# Altium PCB touch.gfx.PcbDoc (part 1 of 3) (continued)
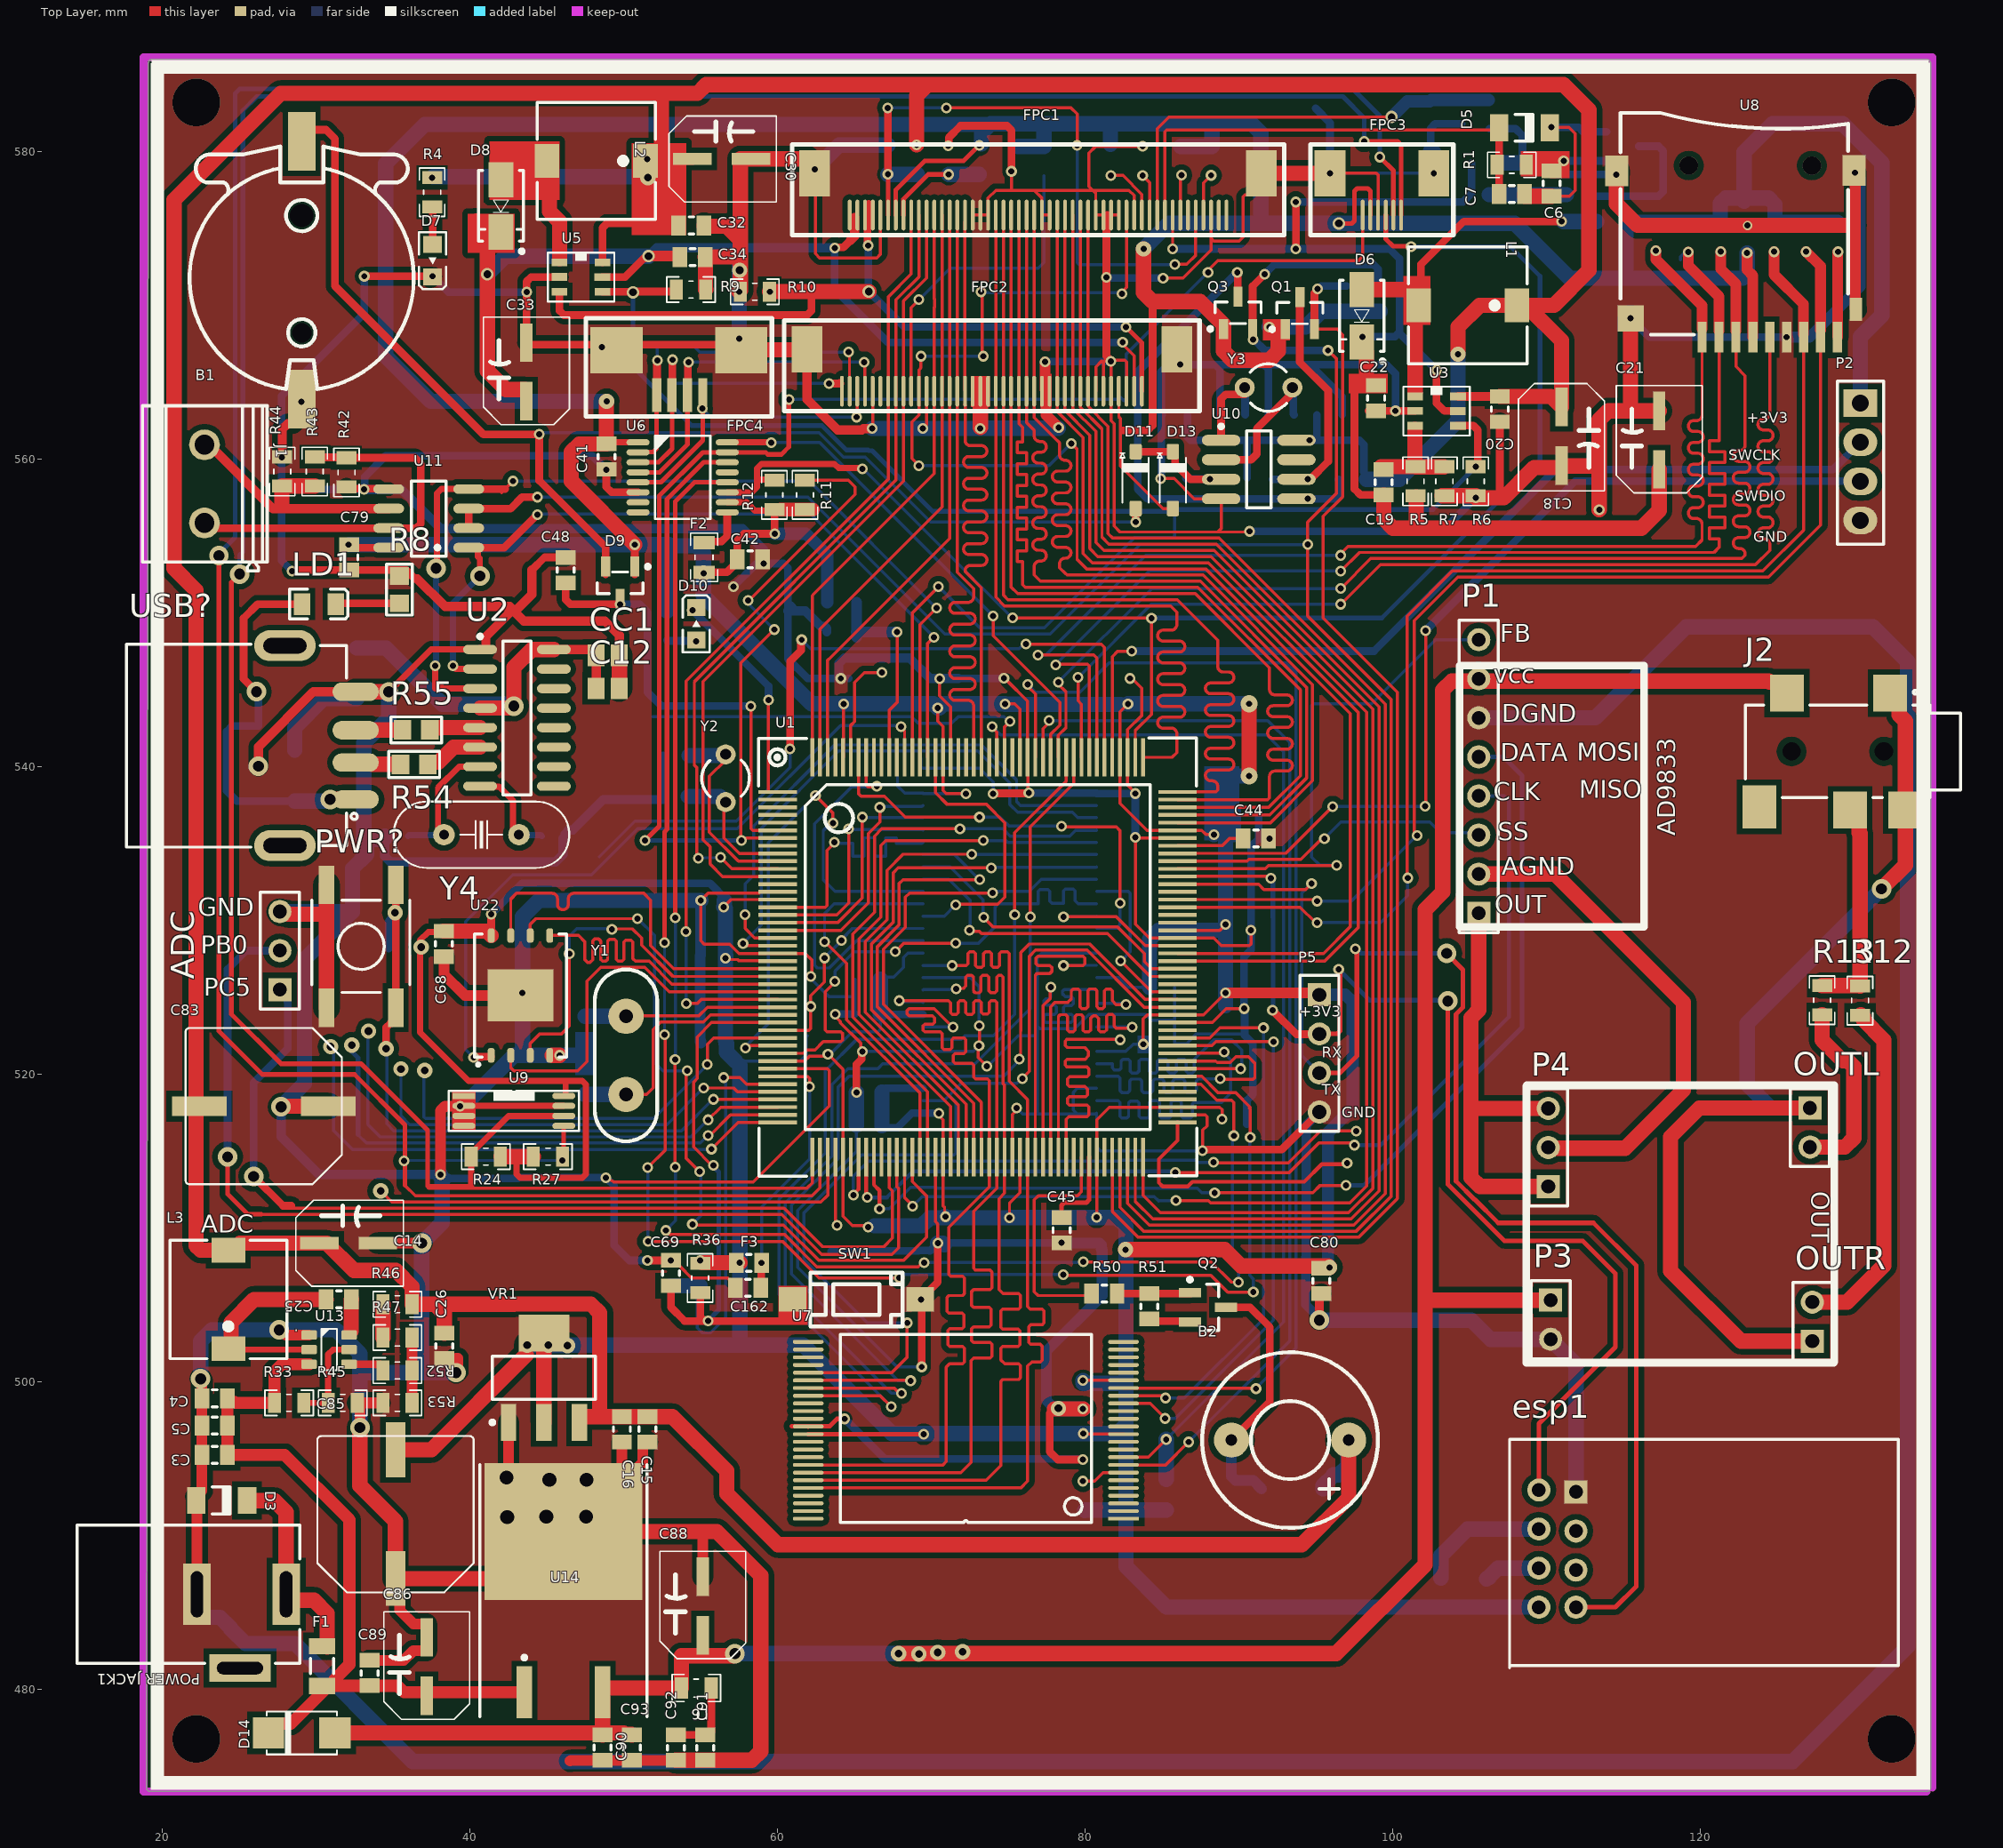
[diagram p0: Top Layer view]
## Footprints (in the part's own frame and the unit in brackets; to place one, negate y for a bottom-side part, rotate by r counter-clockwise, add the part's x,y. Pads: shape width x height; smd on the part's side, far side on the other; paste and mask are expansions set on the pad)
"0805 Resistor" [mil]
  rect 45x50 smd: 1(-35,0) 2(35,0)
  silkscreen extent -65,-33 65,33, body extent -39,-25 39,25, height 18
694106301002 [mm]
  rect 4x1.8 hole 0.8 slot 3 at 0 deg: 1(0,6.35) 2(0,0.55)
  rect 1.8x4 hole 0.8 slot 3 at 90 deg: 3(4.8,3.35)
  silkscreen extent -4.5,-7.25 4.5,7.25, body extent -4.5,-7.25 5,7.25, height 10.75
"Battery Holder CR1220" [mil]
  round 0 hole 50: 0(0,490)
  round 0 hole 60: 0(0,190)
  rect 70x150 smd: 1(0,0) 2(0,660)
  silkscreen extent -287,13 287,634, body extent -290,-40 290,700, height 168
"BUZZER 2" [mil]
  round 90 hole 30: 1(0,0) 2(0,-300)
  silkscreen extent -225,-375 225,75, body extent -236,-386 236,86, height 374
C0805 [mm] "Chip Capacitor, Body 2.0x1.3mm, IPC High Density"
  rect 1.1x1.4 smd: 1(-0.75,0) 2(0.75,0)
  body extent -1.1,-0.72 1.1,0.72, height 1.4
"C package" [mm]
  rect 2.5x0.8 smd: 1(0,0) 2(3.81,0)
  silkscreen extent -1.65,-2.79 5.33,2.79, body extent -1.04,-2.65 4.86,2.65, height 5.41
CAP805 [mm]
  rect 0.95x1.3 smd: 1(0,0) 2(1.65,0)
  silkscreen extent 0.67,-0.55 0.97,0.55, body extent -0.19,-0.64 1.84,0.63, height 0.65
"CAP 805" [mm]
  rect 0.95x1.3 smd: 1(0,0) 2(1.65,0)
  silkscreen extent 0.67,-0.55 0.97,0.55, body extent -0.19,-0.64 1.84,0.63, height 0.65
"CAP EL 470uF 6,3V" [mil]
  rect 140x50 smd: 1(0,0) 2(330,0)
  silkscreen extent -35,-200 365,200, body extent -52,-203 382,203, height 311
CON_MKDSN1,5/2-5,08 [mm]
  round 2 hole 1.3: 1(-2.54,0) 2(2.54,0)
  silkscreen extent -5.65,-4.07 5.08,4.03, body extent -5.64,-4.05 5.09,4.05, height 10.03
Crystal_2 [mm]
  round 1.3 hole 0.7: 1(-1.55,0) 2(1.55,0)
  silkscreen extent -1.17,-1.55 1.19,1.55, body extent -1.65,-1.6 1.8,1.6, height 9.53
DIOD_SMD_1N4148_SOD80 [mm]
  round 0.5 on Mech15: 0(1.65,0)
  rrect25% 1.1x1.65 smd: 1(0,0) 2(3.3,0)
  silkscreen extent 0.89,-0.76 2.41,0.76, body extent -0.17,-0.8 3.53,0.8, height 1.6
"Diode 1n4148 SMD" [mm] "Mini MELF SOD-80"
  rect 1.2x1.75 smd: 1(0,0) 2(3.3,0)
  silkscreen extent 1.04,-0.87 2.22,0.88, body extent -0.13,-0.75 3.37,0.75, height 1.55
"DIODE SMA (DO-214AC)" [mil]
  rect 80x80 smd: 1(0,0) 2(170,0)
  silkscreen extent -5,-55 175,55, body extent -23,-55 193,55, height 102
DIOM4629X24N [mm] "Molded Diode, 2-Leads, Body 4/60x2/90mm, IPC Medium Density-Design:Abbas Basereh"
  rect 2.3x1.6 smd: 1(-1.7,0) 2(1.7,0)
  silkscreen extent -2.3,-1.45 3.07,1.48, body extent -2.5,-1.22 2.5,1.48, height 2.2
DO-214AA(SMA) [mm]
  rect 2.8x2.3 smd: 1(0,-2.003) 2(0,2.003)
  silkscreen extent -1.87,-3.45 1.88,3.65, body extent -1.8,-2.7 1.8,2.7, height 2.3
esp8266_8pin [mm]
  rect 1.5x1.5 hole 0.9: 1(0,0)
  round 1.5 hole 0.9: 2(2.54,0) 3(5.08,0) 4(7.493,0) 5(7.493,-2.413) 6(4.953,-2.413) 7(2.413,-2.413) 8(-0.127,-2.413)
  silkscreen extent -3.43,-4.32 11.43,20.96, body extent -3.43,-4.02 11.07,20.78, height 6.88
"FPC 4 Pin 0.5mm" [mm]
  rect 0.6x2.2 smd: 1(-1.45,-1.45) 2(-0.45,-1.45) 3(0.55,-1.45) 4(1.55,-1.45)
  rect 3.4x3 smd: 5(4.05,1.45) 6(-4.05,1.45)
  silkscreen extent -6.05,-2.85 6.05,3.55, body extent -5.91,-2.96 6.01,3.59, height 2.51
"FPC 6 Pin 0.5mm Pitch" [mm]
  oval 0.25x2 smd mask+0.04: 1(-1.251,-1.361) 2(-0.751,-1.361) 3(-0.251,-1.361) 4(0.249,-1.361) 5(0.749,-1.361) 6(1.249,-1.361)
  rect 2x3 smd: ""(-3.374,1.361) ""(3.374,1.361)
  silkscreen extent -4.65,-2.66 4.65,3.24
"FPC 40 Pin 0.5 mm Bottom" [mm]
  oval 0.25x2 smd mask+0.04: 1(9.751,-1.361) 2(9.251,-1.361) 3(8.751,-1.361) 4(8.251,-1.361) 5(7.751,-1.361) 6(7.251,-1.361) 7(6.751,-1.361) 8(6.251,-1.361) 9(5.751,-1.361) 10(5.251,-1.361) 11(4.751,-1.361) 12(4.251,-1.361) 13(3.751,-1.361) 14(3.251,-1.361) 15(2.751,-1.361) 16(2.251,-1.361) 17(1.751,-1.361) 18(1.251,-1.361) 19(0.751,-1.361) 20(0.251,-1.361) 21(-0.249,-1.361) 22(-0.749,-1.361) 23(-1.249,-1.361) 24(-1.749,-1.361) 26(-2.749,-1.361) 27(-3.249,-1.361) 28(-3.749,-1.361) 29(-4.249,-1.361) 30(-4.749,-1.361) 31(-5.249,-1.361) 32(-5.749,-1.361) 33(-6.249,-1.361) 34(-6.749,-1.361) 35(-7.249,-1.361) 36(-7.749,-1.361) 37(-8.249,-1.361) 38(-8.749,-1.361) 39(-9.249,-1.361) 40(-9.749,-1.361)
  oval 0.25x2 smd paste+0 mask+0.04: 25(-2.249,-1.361)
  rect 2x3 smd: 41(-12.024,1.361) 42(12.024,1.361)
  silkscreen extent -13.5,-2.66 13.5,3.24, body extent -12.2,-2.33 12.2,3.95, height 2
"FPC 50 Pin 0.5 mm Top Contact" [mm]
  oval 0.25x2 smd mask+0.04: 1(-12.251,-1.361) 2(-11.751,-1.361) 3(-11.251,-1.361) 4(-10.751,-1.361) 5(-10.251,-1.361) 6(-9.751,-1.361) 7(-9.251,-1.361) 8(-8.751,-1.361) 9(-8.251,-1.361) 10(-7.751,-1.361) 11(-7.251,-1.361) 12(-6.751,-1.361) 13(-6.251,-1.361) 14(-5.751,-1.361) 15(-5.251,-1.361) 16(-4.751,-1.361) 17(-4.251,-1.361) 18(-3.751,-1.361) 19(-3.251,-1.361) 20(-2.751,-1.361) 21(-2.251,-1.361) 22(-1.751,-1.361) 23(-1.251,-1.361) 24(-0.751,-1.361) 26(0.249,-1.361) 27(0.749,-1.361) 28(1.249,-1.361) 29(1.749,-1.361) 30(2.249,-1.361) 31(2.749,-1.361) 32(3.249,-1.361) 33(3.749,-1.361) 34(4.249,-1.361) 35(4.749,-1.361) 36(5.249,-1.361) 37(5.749,-1.361) 38(6.249,-1.361) 39(6.749,-1.361) 40(7.249,-1.361) 41(7.749,-1.361) 42(8.249,-1.361) 43(8.749,-1.361) 44(9.249,-1.361) 45(9.749,-1.361) 46(10.249,-1.361) 47(10.749,-1.361) 48(11.249,-1.361) 49(11.749,-1.361) 50(12.249,-1.361)
  oval 0.25x2 smd paste+0 mask+0.04: 25(-0.251,-1.361)
  rect 2x3 smd: 51(14.524,1.361) 52(-14.524,1.361)
  silkscreen extent -16,-2.66 16,3.24, body extent -15.25,-2.25 15.25,3.15, height 2.02
HDR1X2 [mm] "Connector; Header; 2 Position"
  rect 1.5x1.5 hole 0.9: 1(0,0)
  round 1.5 hole 0.9: 2(2.54,0)
  silkscreen extent -1.27,-1.27 3.81,1.27
HDR1X3 [mm] "Connector; Header; 3 Position"
  rect 1.5x1.5 hole 0.9: 1(0,0)
  round 1.5 hole 0.9: 2(2.54,0) 3(5.08,0)
  silkscreen extent -1.27,-1.27 6.35,1.27
HDR1X4 [mm] "Connector; Header; 4 Position"
  rect 1.5x1.5 hole 0.9: 1(0,0)
  round 1.5 hole 0.9: 2(2.54,0) 3(5.08,0) 4(7.62,0)
  silkscreen extent -1.27,-1.27 8.89,1.27, body extent -1.27,-1.28 8.89,1.26, height 8.38
HDR1X8 [mm] "Connector; Header; 8 Position"
  rect 1.5x1.5 hole 0.9: 1(0,0)
  round 1.5 hole 0.9: 2(2.54,0) 3(5.08,0) 4(7.62,0) 5(10.16,0) 6(12.7,0) 7(15.24,0) 8(17.78,0)
  silkscreen extent -1.27,-1.27 19.05,1.27
"HEADER 4X1" [mm]
  rect 1.8x2.2 hole 1.1: 1(0,0)
  oval 1.8x2.2 hole 1.1: 2(2.54,0) 3(5.08,0) 4(7.62,0)
  silkscreen extent -1.43,-1.5 9.18,1.5, body extent -1.19,-1.22 8.97,1.32, height 8.38
IND0805 [mm] "Chip Inductor, 2-Leads, Body 2/00x1/25mm, IPC Medium Density DESIGNER:ABBAS BASEREH"
  rect 0.87x1.37 smd: 1(-0.97,0) 2(0.97,0)
  silkscreen extent -1.58,-0.87 1.58,0.87, body extent -1.02,-0.65 1.02,0.65, height 0.5
JCKAS_PJ386 [mm] "Jack, Audio, Stereo, 3.5mm, RA, SMD"
  rect 2.4x2.2 smd: 1(-3.8,6.4) 2(-3.8,-0.3) 3(3.8,3.8) 4(3.8,7.4)
  rect 2.8x2.2 smd: 10(3.6,-2.1)
  round 0.8 hole 1.2 unplated: ""(0,6) ""(0,0)
  silkscreen extent -3.97,-3 3,11, body extent -3,-3 3,11, height 4.87
"LED_0805 Y" [mm]
  rect 1.05x1.4 smd: 1(-1.1,0) 2(1.1,0)
  silkscreen extent -1.91,-0.97 1.89,0.98, body extent -1.01,-0.63 1.01,0.62, height 1.1
LED_SMD_0805 [mm] "SMD Mono-color Chip LED, body 2.0x1.25mm"
  rect 1.1x1.2 smd: 1(-1.05,0) 2(1.05,0)
  silkscreen extent -1.85,-0.88 1.85,0.88, body extent -1,-0.62 1,0.63, height 0.7
LQFP176 [mm]
  rect 2.5x0.25 smd: 1(-13,10.75) 2(-13,10.25) 3(-13,9.75) 4(-13,9.25) 5(-13,8.75) 6(-13,8.25) 7(-13,7.75) 8(-13,7.25) 9(-13,6.75) 10(-13,6.25) 11(-13,5.75) 12(-13,5.25) 13(-13,4.75) 14(-13,4.25) 15(-13,3.75) 16(-13,3.25) 17(-13,2.75) 18(-13,2.25) 19(-13,1.75) 20(-13,1.25) 21(-13,0.75) 22(-13,0.25) 23(-13,-0.25) 24(-13,-0.75) 25(-13,-1.25) 26(-13,-1.75) 27(-13,-2.25) 28(-13,-2.75) 29(-13,-3.25) 30(-13,-3.75) 31(-13,-4.25) 32(-13,-4.75) 33(-13,-5.25) 34(-13,-5.75) 35(-13,-6.25) 36(-13,-6.75) 37(-13,-7.25) 38(-13,-7.75) 39(-13,-8.25) 40(-13,-8.75) 41(-13,-9.25) 42(-13,-9.75) 43(-13,-10.25) 44(-13,-10.75) 89(13,-10.75) 90(13,-10.25) 91(13,-9.75) 92(13,-9.25) 93(13,-8.75) 94(13,-8.25) 95(13,-7.75) 96(13,-7.25) 97(13,-6.75) 98(13,-6.25) 99(13,-5.75) 100(13,-5.25) 101(13,-4.75) 102(13,-4.25) 103(13,-3.75) 104(13,-3.25) 105(13,-2.75) 106(13,-2.25) 107(13,-1.75) 108(13,-1.25) 109(13,-0.75) 110(13,-0.25) 111(13,0.25) 112(13,0.75) 113(13,1.25) 114(13,1.75) 115(13,2.25) 116(13,2.75) 117(13,3.25) 118(13,3.75) 119(13,4.25) 120(13,4.75) 121(13,5.25) 122(13,5.75) 123(13,6.25) 124(13,6.75) 125(13,7.25) 126(13,7.75) 127(13,8.25) 128(13,8.75) 129(13,9.25) 130(13,9.75) 131(13,10.25) 132(13,10.75)
  rect 0.25x2.5 smd: 45(-10.75,-13) 46(-10.25,-13) 47(-9.75,-13) 48(-9.25,-13) 49(-8.75,-13) 50(-8.25,-13) 51(-7.75,-13) 52(-7.25,-13) 53(-6.75,-13) 54(-6.25,-13) 55(-5.75,-13) 56(-5.25,-13) 57(-4.75,-13) 58(-4.25,-13) 59(-3.75,-13) 60(-3.25,-13) 61(-2.75,-13) 62(-2.25,-13) 63(-1.75,-13) 64(-1.25,-13) 65(-0.75,-13) 66(-0.25,-13) 67(0.25,-13) 68(0.75,-13) 69(1.25,-13) 70(1.75,-13) 71(2.25,-13) 72(2.75,-13) 73(3.25,-13) 74(3.75,-13) 75(4.25,-13) 76(4.75,-13) 77(5.25,-13) 78(5.75,-13) 79(6.25,-13) 80(6.75,-13) 81(7.25,-13) 82(7.75,-13) 83(8.25,-13) 84(8.75,-13) 85(9.25,-13) 86(9.75,-13) 87(10.25,-13) 88(10.75,-13) 133(10.75,13) 134(10.25,13) 135(9.75,13) 136(9.25,13) 137(8.75,13) 138(8.25,13) 139(7.75,13) 140(7.25,13) 141(6.75,13) 142(6.25,13) 143(5.75,13) 144(5.25,13) 145(4.75,13) 146(4.25,13) 147(3.75,13) 148(3.25,13) 149(2.75,13) 150(2.25,13) 151(1.75,13) 152(1.25,13) 153(0.75,13) 154(0.25,13) 155(-0.25,13) 156(-0.75,13) 157(-1.25,13) 158(-1.75,13) 159(-2.25,13) 160(-2.75,13) 161(-3.25,13) 162(-3.75,13) 163(-4.25,13) 164(-4.75,13) 165(-5.25,13) 166(-5.75,13) 167(-6.25,13) 168(-6.75,13) 169(-7.25,13) 170(-7.75,13) 171(-8.25,13) 172(-8.75,13) 173(-9.25,13) 174(-9.75,13) 175(-10.25,13) 176(-10.75,13)
  silkscreen extent -14.25,-14.25 14.25,14.25, body extent -12.89,-12.89 12.89,12.89, height 1.55
RES0805 [mm] "Chip Resistor, 2-Leads, Body 2/00x1/25mm, IPC Medium Density DESIGNER:ABBAS BASEREH"
  rect 0.85x1.3 smd: 1(-0.95,0) 2(0.95,0)
  silkscreen extent -1.58,-0.82 1.58,0.82, body extent -1.02,-0.65 1.02,0.65, height 0.5
RES_0805 [mm] "Chip Resistor, 2-Leads, Body 2.0x1.3mm, IPC High Density _ (0.100 W)"
  rect 0.95x1.3 smd: 1(0,0) 2(1.65,0)
  silkscreen extent 0.67,-0.55 0.97,0.55, body extent -0.19,-0.63 1.84,0.64, height 0.6
RES_1206 [mm] "Chip Resistor, 2-Leads, Body 3.2x1.6mm, IPC High Density _ (0.125 W)"
  rect 1.05x1.7 smd: 1(0,0) 2(2.596,0)
  silkscreen extent 0.8,-0.75 1.8,0.75, body extent -0.23,-0.76 2.82,0.76, height 0.6
SD-CARD [mm] "con?"
  rect 0.6x2 smd: 1(12.844,24.619) 2(11.744,24.619) 3(10.644,24.619) 4(9.544,24.619) 5(8.444,24.619) 6(7.344,24.619) 7(6.244,24.619) 8(5.144,24.619) 9(4.044,24.619)
  rect 0.8x1.5 smd: 10(2.835,22.808)
  rect 1.7x1.7 smd: 11(17.494,23.401)
  rect 1.5x2 smd: 12(2.962,13.791) 13(18.394,13.801)
  silkscreen extent 3.34,10.04 18.15,24.46, body extent 2.66,10 18.66,25.25, height 1.85
SMD_female [mm]
  oval 1.2x3 smd: 1(-3.5,-2.3) 2(-1.1,-2.3) 3(1,-2.3) 4(3.5,-2.3)
  oval 2x4 hole 1 slot 2.8 at 90 deg: SH1(-6.5,2.3) SH2(6.5,2.3)
  silkscreen extent -6.6,-2.4 6.6,12.6, body extent -7.3,-2.51 7.2,12.51, height 7.7
SO-16 [mm] "SOIC, 16-Leads, Body 9.9x3.9mm, Pitch 1.27mm, IPC Medium Density"
  oval 2.2x0.6 smd: 1(-2.4,4.445) 2(-2.4,3.175) 3(-2.4,1.905) 4(-2.4,0.635) 5(-2.4,-0.635) 6(-2.4,-1.905) 7(-2.4,-3.175) 8(-2.4,-4.445) 9(2.4,-4.445) 10(2.4,-3.175) 11(2.4,-1.905) 12(2.4,-0.635) 13(2.4,0.635) 14(2.4,1.905) 15(2.4,3.175) 16(2.4,4.445)
  silkscreen extent -2.52,-5 0.9,5.42, body extent -3.1,-5.08 3.1,5.08, height 1.73
SOD123 [mm] "SOD-123; 2 Leads; Body 2.7 x 1.6 mm, (LxW)"
  round 0.508 on Mech15: 0(0,0)
  rrect25% 1x0.8 smd: 1(1.85,0) 2(-1.85,0)
  silkscreen extent -1.75,-1 1.45,0.85, body extent -1.85,-0.8 1.85,0.8, height 1.25
SOIC-8#1 [mm] "SOIC, 8-Leads, Body 4.9x3.9mm, Pitch 1.27mm, IPC Low Density"
  oval 2.5x0.7 smd: 1(-2.45,1.905) 2(-2.45,0.635) 3(-2.45,-0.635) 4(-2.45,-1.905) 5(2.45,-1.905) 6(2.45,-0.635) 7(2.45,0.635) 8(2.45,1.905)
  silkscreen extent -2.57,-2.5 0.8,2.93, body extent -3.08,-2.5 3.03,2.5, height 1.7
SOIC-8#2 [mm]
  oval 2x0.625 smd: 1(-2.6,1.905) 2(-2.6,0.635) 3(-2.6,-0.635) 4(-2.6,-1.905) 5(2.6,-1.905) 6(2.6,-0.635) 7(2.6,0.635) 8(2.6,1.905)
  silkscreen extent -1.12,-2.41 1.13,2.47, body extent -3.1,-2.41 3.1,2.41, height 1.7
SOT23 [mm] "SOT23, 3-Leads, Body 2.9x1.3mm, Pitch 0.95mm, Lead Span 2.3mm, IPC Medium Density"
  rect 0.6x1.3 smd: 1(-0.95,-1.05) 2(0.95,-1.05) 3(0,1.05)
  silkscreen extent -1.92,-1.17 1.5,0.7, body extent -1.5,-1.27 1.5,1.27, height 1.1
SOT23-6 [mil]
  rect 40x20 smd: 1(-5,0) 2(-5,-37) 3(-5,-75) 4(105,-75) 5(104.41,-37.4) 6(105,0)
  silkscreen extent -35,-100 135,25, body extent 2,-95 98,20, height 52
SOT-23 [mm]
  rect 0.6x1.45 smd: 1(-0.95,-1.175) 2(0.95,-1.175) 3(0,1.175)
  silkscreen extent -1.92,-1.3 1.5,0.7, body extent -1.45,-1.23 1.45,1.07, height 1
SOT-223 [mm]
  rect 2.4x1 smd: 1(2.9,-2.3) 2(2.9,0) 3(2.9,2.3)
  rect 2.4x3.3 smd: 4(-2.9,0)
  silkscreen extent -1.4,-3.47 3.02,3.35, body extent -3.49,-3.24 3.49,3.24, height 1.64
SW-PB [mm]
  rect 2.5x1 smd: 1(-3.992,2.25) 1(3.992,2.25) 2(-3.992,-2.25) 2(3.992,-2.25)
  silkscreen extent -3,-3.2 3,3.18, body extent -4.5,-3 4.5,3, height 5
SW_KFC [mm]
  rect 1.8x1.6 smd paste+0.1 mask+0.1: 1(-4.15,0) 2(4.15,0)
  silkscreen extent -3,-1.75 3,1.75, body extent -3.15,-1.75 3.15,1.75, height 5.03
TO_263 [mm]
  rect 1x3.4 smd: 1(-2.54,-5.225) 3(2.54,-5.225)
  rect 10.25x8.9 smd: 2(0,5.225)
  silkscreen extent -5.43,-6.82 5.43,9.58, body extent -5.05,-6.31 4.95,9.36, height 4.68
TSOP54 [mil] "SOP, 54-Leads, Body 22.2x10.16mm, Pitch 0.8mm, IPC Medium Density"
  oval 60x20 smd: 1(0,0) 2(0,-31.5) 3(0,-62.99) 4(0,-94.49) 5(0,-125.98) 6(0,-157.48) 7(0,-188.98) 8(0,-220.47) 9(0,-251.97) 10(0,-283.46) 11(0,-314.96) 12(0,-346.46) 13(0,-377.95) 14(0,-409.45) 15(0,-440.94) 16(0,-472.44) 17(0,-503.94) 18(0,-535.43) 19(0,-566.93) 20(0,-598.43) 21(0,-629.92) 22(0,-661.42) 23(0,-692.91) 24(0,-724.41) 25(0,-755.91) 26(0,-787.4) 27(0,-818.9) 28(444.88,-818.9) 29(444.88,-787.4) 30(444.88,-755.91) 31(444.88,-724.41) 32(444.88,-692.91) 33(444.88,-661.42) 34(444.88,-629.92) 35(444.88,-598.43) 36(444.88,-566.93) 37(444.88,-535.43) 38(444.88,-503.94) 39(444.88,-472.44) 40(444.88,-440.94) 41(444.88,-409.45) 42(444.88,-377.95) 43(444.88,-346.46) 44(444.88,-314.96) 45(444.88,-283.46) 46(444.88,-251.97) 47(444.88,-220.47) 48(444.88,-188.98) 49(444.88,-157.48) 50(444.88,-125.98) 51(444.88,-94.49) 52(444.88,-62.99) 53(444.88,-31.5) 54(444.88,0)
  silkscreen extent -5,-848 400,37, body extent -11,-847 452,28, height 49
"TSOP-48 NAND" [mm]
  oval 2x0.25 smd mask+0.05: 7(-10.25,2.75) 8(-10.25,2.25) 9(-10.25,1.75) 12(-10.25,0.25) 13(-10.25,-0.25) 16(-10.25,-1.75) 17(-10.25,-2.25) 18(-10.25,-2.75) 19(-10.25,-3.25) 29(10.25,-3.75) 30(10.25,-3.25) 31(10.25,-2.75) 32(10.25,-2.25) 36(10.25,-0.25) 37(10.25,0.25) 41(10.25,2.25) 42(10.25,2.75) 43(10.25,3.25) 44(10.25,3.75) ""(-10.25,-5.75) ""(-10.25,-5.25) ""(-10.25,-4.75) ""(-10.25,-4.25) ""(-10.25,-3.75) ""(-10.25,-1.25) ""(-10.25,-0.75) ""(-10.25,0.75) ""(-10.25,1.25) ""(-10.25,3.25) ""(-10.25,3.75) ""(-10.25,4.25) ""(-10.25,4.75) ""(-10.25,5.25) ""(10.25,-5.75) ""(10.25,-5.25) ""(10.25,-4.75) ""(10.25,-4.25) ""(10.25,-1.75) ""(10.25,-1.25) ""(10.25,-0.75) ""(10.25,0.75) ""(10.25,1.25) ""(10.25,1.75) ""(10.25,4.25) ""(10.25,4.75) ""(10.25,5.25) ""(10.25,5.75)
  rect 2x0.25 smd mask+0.05: ""(-10.25,5.75)
  silkscreen extent -8.16,-6.23 8.17,6, body extent -10.1,-6.05 10.1,6.05, height 1.2
TSOT23-6 [mm] "SOT-23-6 Thin, 6 lead"
  round 0.5 on Mech15: 0(0,0)
  rrect25% 1x0.6 smd: 1(-1.3,0.95) 2(-1.3,0) 3(-1.3,-0.95) 4(1.3,-0.95) 5(1.3,0) 6(1.3,0.95)
  silkscreen extent -0.51,-1.35 0.51,1.35, body extent -1.4,-1.45 1.4,1.45, height 1
TSSOP8 [mm]
  rect 1.5x0.4 smd: 1(0,0)
  oval 1.5x0.4 smd: 2(0,-0.65) 3(0,-1.3) 4(0,-1.95) 5(6.5,-1.95) 6(6.5,-1.3) 7(6.5,-0.65) 8(6.5,0)
  silkscreen extent -0.98,-2.28 7.48,0.33, body extent -0.06,-2.26 6.52,0.3, height 1.04
TSSOP65P640X120-16N [mm] "TSSOP, 16 Leads, Body 5.1x4.5mm (max), Pitch 0.65mm, IPC Medium Density"
  round 0.508 on Mech15: 0(0,0)
  oval 1.5x0.4 smd paste-0.051: 1(-2.9,2.275) 2(-2.9,1.625) 3(-2.9,0.975) 4(-2.9,0.325) 5(-2.9,-0.325) 6(-2.9,-0.975) 7(-2.9,-1.625) 8(-2.9,-2.275) 9(2.9,-2.275) 10(2.9,-1.625) 11(2.9,-0.975) 12(2.9,-0.325) 13(2.9,0.325) 14(2.9,0.975) 15(2.9,1.625) 16(2.9,2.275)
  silkscreen extent -1.8,-2.7 1.8,2.7, body extent -3.25,-2.55 3.25,2.55, height 1.2
W25Q256 [mm]
  rrect70% 0.94x0.44 smd: 1(-3.895,1.905) 2(-3.895,0.635) 3(-3.895,-0.635) 4(-3.895,-1.905) 5(3.895,-1.905) 6(3.895,-0.635) 7(3.895,0.635) 8(3.895,1.905)
  rect 3.4x4.3 smd paste-3: 9(0,0)
  silkscreen extent -4.6,-3 4,3, body extent -3.9,-3.01 4.1,2.99, height 0.75
WE-PD_7332_Performance [mm] "SMT Shielded Power Inductor, 2-leads, body 7.3x7.4mm"
  rect 2.2x1.6 smd: 1(0,3.2) 2(0,-3.2)
  silkscreen extent -3.8,-3.85 3.8,3.85, body extent -3.65,-3.65 3.65,3.65, height 3.25
Xtal2 [mm]
  round 2.3 hole 0.9: 1(0,0) 2(5.08,0)
  silkscreen extent -3.05,-2.03 8.13,2.03, body extent -3.21,-2.25 8.29,2.25, height 3.56
"Xtal 2p" [mil]
  round 55 hole 25: 1(96.06,0) 2(-96.06,0)
  silkscreen extent -225,-85 225,85, body extent -226,-89 226,89, height 140

## Part data
ADC P4: "Header, 3-Pin", LatestRevisionDate=17-Jul-2002, LatestRevisionNote="Re-released for DXP Platform.", Publisher="Altium Limited"
B1: library part "Battry Backup"
B2: library part "Buzzer New"
C1 C2 C3 C6 C7 C8 C11 C19 C20 C22 C32 C34 C41 C42 C43 C44 C45 C46 C47 C48 C49 C50 C51 C52 C53 C54 C55 C56 C57 C58 C59 C60 C61 C62 C63 C64 C65 C66 C67 C68 C69 C71 C72 C73 C74 C75 C76 C77 C79 C162 C163: library part "CAP SMD 1206", "CAP 1206", Data=16-12-2016, Desc.="CAP SMD 1206", Designer="Abbas Basereh"
C4 C5 C15 C16 C25 C26 C78 C80 C82 C87 C89 C90 C91 C92 C93: "Capacitor", LatestRevisionDate=17-Jul-2002, LatestRevisionNote="Re-released for DXP Platform.", PackageReference=RAD-0.3, Published=8-Jun-2000, Publisher="Altium Limited"
C12 CC1 CC2 CC3: library part Cap-Bipolar, "Bipolar Capacitor", Voltage=100V, Adding Date=1387/12/20, Designer="Saeid Jorablo", Organazation=ControTec
C13 C27: library part "Capacitor SMD", =22pF
C14 C18 C21 C30 C33 C86 C88: library part "Cap Pol1", "Polarized Capacitor (Radial)", LatestRevisionDate=17-Jul-2002, LatestRevisionNote="Re-released for DXP Platform.", PackageReference=RB7.6-15, Published=8-Jun-2000, Publisher="Altium Limited"
C70: library part "Cap CBB22 105J400V", "Polypropylene film with epoxy Cap CBB22 105J400V", Manufacturer=CHINA, Data=16-12-2016, Designer="Abbas Basereh", Link=https://www.alibaba.com/product-detail/CBB22-capacitors-105J-400V-1UF-400V_60020643516.html, Part. No=105J400V
C81: library part 885342008008, "WCAP-CSMH Ceramic Capacitors, size 1206, 22pF, 1000VDC", Capacitance=22pF, Insulation Resistance=10GOhm, Operating Temperature="-55 to +125degC", Rated Voltage=1000VDC, Ceramic Type="NP0 Class I", ComponentLink1Description=Manufacturer, ComponentLink1URL=http://www.we-online.de, ComponentLink2Description=Datasheet, ComponentLink2URL=https://katalog.we-online.com/pbs/datasheet/885342008008.pdf, Dissipation Factor=-, Mounting Technology=SMD, Packaging="Tape and Reel", Part Number=885342008008, Published Date="August 2019", Publisher="Wurth Elektronik", Size=1206, Technical Reference=NP01206220JA00DFCT10000
C83 C85: library part 860010274015, "WCAP-ATG8 THT Aluminum Electrolytic Capacitors, D8mm x L16mm, 1000uF, +/-20%, 10VDC", Capacitance=1000uF, Capacitance Tolerance=+/-20%, Leakage Current=100uA, Operating Temperature="-40 to +85degC", Rated Voltage=10VDC, Ripple Current max.=725mA, ComponentLink1Description=Manufacturer, ComponentLink1URL=http://www.we-online.de, ComponentLink2Description=Datasheet, ComponentLink2URL=https://katalog.we-online.com/pbs/datasheet/860010274015.pdf, Diameter=8mm, Dissipation Factor=19%, Endurance=2000h, Length=16mm, Mounting Technology=THT, Packaging="Ammo Pack", Part Number=860010274015, Published Date="August 2019", Publisher="Wurth Elektronik", Technical Reference=ATBE160102M010DSPA7B000
C84: library part 885342007004, "WCAP-CSMH Ceramic Capacitors, size 0805, 15pF, 250VDC", Capacitance=15pF, Insulation Resistance=10GOhm, Operating Temperature="-55 to +125degC", Rated Voltage=250VDC, Ceramic Type="NP0 Class I", ComponentLink1Description=Manufacturer, ComponentLink1URL=http://www.we-online.de, ComponentLink2Description=Datasheet, ComponentLink2URL=https://katalog.we-online.com/pbs/datasheet/885342007004.pdf, Dissipation Factor=-, Mounting Technology=SMD, Packaging="Tape and Reel", Part Number=885342007004, Published Date="August 2019", Publisher="Wurth Elektronik", Size=0805, Technical Reference=NP00805150J250DFCT10000
D1 D2 D9: library part BAV99, "switiching diode"
D3 D6 D8: library part "1n4007 SMD M7", "Standard Rectifiers", Manufacturer="DC COMPONENTS", Data=16-12-2016, Designer="Abbas Basereh", Link=http://www.tme.eu/en/details/m7/smd-universal-diodes/dc-components/, Part. No=M7
D4 D5: library part "D Zener", "Zener Diode", LatestRevisionDate=17-Jul-2002, LatestRevisionNote="Re-released for DXP Platform.", PackageDescription="Diode, Thru-Hole; 2 Leads; 0.7 in Pin Spacing", PackageReference=DIODE-0.7, Published=8-Jun-2000, Publisher="Altium Limited"
D7 D10: "SMD Mono-color Chip LED Waterclear", Forward Voltage="3.2 V", Part Number=150080BS75000, Peak Wavelength="465 nm", Published Date="Jan 2017", Publisher="Ali Hafizi"
D11 D13: library part Diode, "Default Diode", Code_JEDEC=DO-214-AB, LatestRevisionDate=17-Jul-2002, LatestRevisionNote="Re-released for DXP Platform.", PackageDescription="DO-214-AB/SMC; 2 C-Bend Leads; Body 7.9 x 5.9 mm, inc. leads (LxW)", PackageReference=SMC, PackageVersion=Sep-1996, Published=8-Jun-2000, Publisher="Altium Limited"
D12: library part 1N5819(SS14)
D14: "Silicon RF Schottky Diode for Mixer Applications in the VHF/UHF Range", PackageReference=SMC, PackageVersion=Sep-2001, Published=21-Mar-2003, Publisher="Altium Limited"
DC1 DC2: library part DIOD
esp1: library part esp8266_8pin
F1: library part "Fuse 5x20 with holdeer pins", "Fuses 5x20", Data=28-12-2016, Desc.="fuse with holder pins 5x20", Designer="Abbas Basereh"
F2: library part "Ferrite Bead SMD Package", Designer="Ali Hafizi"
J1: "WR-PHD Socket Header, THT, pitch 2.54mm, Single Row, Vertical, 2pin", Contact Resistance=20mOhm, Operating Temperature="-40 to +125degC", Rated Current=3A, Withstanding Voltage=500VAC, Working Voltage=250VAC, ComponentLink1Description=Manufacturer, ComponentLink1URL=http://www.we-online.de, ComponentLink2Description=Datasheet, ComponentLink2URL=https://katalog.we-online.de/em/datasheet/6130xx11821.pdf, Gender=Female, Mounting Technology=THT, Orientation=Vertical, Packaging=Tray, Part Number=61300211821, Pin Number=2, Pitch=2.54mm, Published Date="June 2019", Publisher="Wurth Elektronik", Row Number=Single
J2: library part JACKA3.5SMD_TSH-3864D, "Jack, Audio, Stereo, 3.5mm, RA, SMD", =http://www.chila.ir, MANF=Champway, MANF_P#=TSH-3864D
L1 L2 L3 L6: library part "Inductor 4.7µH SMD 3x3.2mm", "Inductor 4.7µH SMD 3x3.2mm", Operating Temperature="-40°C ~ 125°C", Tolerance=±20%, Package / Case="Inductor 4.7µH SMD 3x3.2mm", SCDType=source, Supplier 1=Digi-Key, Type="Ferrite Core"
LD1: library part "LED SMD"
OUTL OUTR P3: "Header, 2-Pin", LatestRevisionDate=17-Jul-2002, LatestRevisionNote="Re-released for DXP Platform.", Publisher="Altium Limited"
P1: "Header, 8-Pin", LatestRevisionDate=17-Jul-2002, LatestRevisionNote="Re-released for DXP Platform.", Publisher="Altium Limited"
P2 P5: library part "Header 4", "Header, 4-Pin", LatestRevisionDate=17-Jul-2002, LatestRevisionNote="Re-released for DXP Platform.", Publisher="Altium Limited"
"POWER JACK1": "DC Power Jack. Center Pin 2.5mm. Diameter: 5.7mm", Adding Date=10/21/2009, Company=Personal, Designer="Ali Hafizi", Project Name=Laser
PWR?: "Push Button Switch"
Q1 Q3: library part BSS84, "P-channel Enhancement Mode Vertical D-MOSFET", ComponentLink1Description="Manufacturer Link", ComponentLink1URL=http://www.semiconductors.philips.com/, ComponentLink2Description=Datasheet, ComponentLink2URL=http://www.semiconductors.philips.com/acrobat/datasheets/BSS84_3.pdf, DatasheetVersion=18-Jun-1997, LatestRevisionDate=12-Dec-2006, LatestRevisionNote="IPC-7351 Footprint Added.", PackageDescription="3-Pin SOT-23 Package 0.95 mm Pitch, 2.3 mm Lead Span", PackageReference=SOT23, PackageVersion=May-1999, Published=17-Sep-2003, Publisher="Altium Limited"
R1 R2 R2 R3 R4 R5 R6 R7 R9 R10 R11 R12 R12 R13 R13 R14 R15 R16 R17 R18 R19 R20 R21 R22 R23 R24 R25 R26 R27 R28 R29 R31 R32 R33 R34 R35 R36 R38 R39 R42 R43 R44 R45 R46 R47 R52 R53: library part res1, "Resistor", Published=8-Jun-2000, Publisher="Altium Limited", Revision="July-2002: Re-released for DXP Platform."
R8 R54 R55: library part "Resistor SMD"
  R8: =330
  R54 R55: =27R
R30: library part "RES 0805 0.125W", "RES 0805", Data=16-12-2016, Desc.="RES SMD 0805", Designer="Abbas Basereh"
R34 R37: library part res
R40 R41 R48 R49 R50 R51: library part ERQF06, "Flat Chip Fuse Resistor, 0.47 Ohm to 10 Ohm Range, 5% Tolerance, 0805 Size, 0.1 W", PackageDocument=Mar-2003, Code_IPC="2012 [0805]", ComponentLink1Description="Manufacturer Link", ComponentLink1URL=http://www.panasonic.com/industrial/components/resistive_products.htm, ComponentLink2Description=Datasheet, ComponentLink2URL=http://www.panasonic.com/industrial/components/pdf/AOB0000CE1.pdf, LatestRevisionDate=19-Mar-2004, LatestRevisionNote="Silkscreen size reduced.", Note="If flow soldering, adjust pad width of PCB Footprint to 0.7 - 0.8 times the width of the resistor.", PackageReference=6-0805, Published=17-Dec-2003, Publisher="Altium Limited"
RAM1: library part K4S561632C
SW1: library part "SW PUSHBUTTON", "SE PUSHBUTTON"
U2: library part CH340G_SOP16, "USB-UART", =http://www.chila.ir, MANF_P#=CH340G
U3: library part mp3202
U6: library part XPT2043
U7: "NAND FLASH"
U8: "T-Flash 8pin SMT", Manufacturer="Wellco T&C Co., Ltd.", Manufacture Part #=TFWF1-EBXX-1X0X
U9: library part 24C02-TSSOP, "I2C EEPROM 256b X 8", Supplier Part Number 1=497-4926-1-ND, Supplier 1=Digi-Key
U10: "Real Time Clock _RTC_ IC Clock/Calendar 56B IA²C, 2-Wire Serial 8-SOIC _0.154, 3.90mm Width_", Package="SOIC-8 Maxim", Availability=Unavailable, MF="Maxim Integrated", MP=DS1307ZN+, Price=None, SnapEDA_Link=https://www.snapeda.com/parts/DS1307ZN%2B/Maxim%20Integrated/view-part/100626/?ref=snap
U14: library part "L7805CV-Linear Voltage Regulator", "Linear Voltage Regulator IC Positive FIXED Output 5V 1.5A TO-220AB", Manufacturer=STMicroelectronics, Designer="Abbas Basereh", Link=https://www.aliexpress.com/item/, Part. No=L7805CV
U22: "FLASH - NOR Memory IC 256Mb _32M x 8_ SPI - Quad I/O 133MHz 8-WSON _8x6_", Package="WSON-8 Winbond", Availability=Unavailable, MF=Winbond, MP="W25Q256JVEIQ TR", Price=None, SnapEDA_Link=https://www.snapeda.com/parts/W25Q256JVEIQ%20TR/Winbond%20Electronics/view-part/652108/?ref=snap
USB?: library part USB_CONNECTOR, "USB_CONNECTOR"
VR1: library part AMS1117
Y1 Y2: library part XTAL, "Crystal Oscillator", LatestRevisionDate=17-Jul-2002, LatestRevisionNote="Re-released for DXP Platform.", PackageReference=R38, Published=8-Jun-2000, Publisher="Altium Limited"
Y3: library part 830002995B, "WE-XTAL Quartz Crystal, size WATCH, 32.768kHz, +/-20ppm, 12.5pF", Frequency=32.768kHz, Frequency Stability=-, Frequency Tolerance=+/-20ppm, Load Capacitance=12.5pF, Operating Temperature="-40 up to +85degC", ComponentLink1Description=Manufacturer, ComponentLink1URL=http://www.we-online.de, ComponentLink2Description=Datasheet, ComponentLink2URL=https://katalog.we-online.com/pbs/datasheet/830002995B.pdf, Mounting Technology=THT, Packaging=Bulk, Part Number=830002995B, Published Date="March 2019", Publisher="Wurth Elektronik", Size=WATCH
Y4: library part Xtal
F3 F4: Code_IEC=1005, Code_JEITA=0402, LatestRevisionDate=29-May-2009, LatestRevisionNote="IPC-7351 Footprint Added.", PackageDescription="Chip Inductor", PackageReference=0402-A, Published=8-Jun-2000, Publisher="Altium Limited"
FPC1: ="FPC 50 Pin 0.5 mm Pitch"

## Free pads (board coordinates)
  round 1.5 hole 0.9: 2(42.393,493.751) 3(45.187,493.598) 4(47.6,493.598) 5(42.443,491.185) 6(44.983,491.211) 7(47.574,491.211)

## Via types
v1: diameter 0.7, hole 0.4, Top Layer to Bottom Layer, tented both sides, 329 vias
v2: diameter 1.27, hole 0.711, Top Layer to Bottom Layer, tented both sides, 22 vias
v3: diameter 1, hole 0.5, Top Layer to Bottom Layer, tented both sides, 19 vias
v4: diameter 1, hole 0.4, Top Layer to Bottom Layer, tented both sides, 8 vias
v5: diameter 0.8, hole 0.5, Top Layer to Bottom Layer, tented both sides, 6 vias
v6: diameter 3.1, hole 3.1, Top Layer to Bottom Layer, tented both sides, 4 vias
v7: diameter 0.6, hole 0.4, Top Layer to Bottom Layer, tented both sides, 4 vias
v8: diameter 1.1, hole 0.4, Top Layer to Bottom Layer, tented both sides, 2 vias
v9: diameter 1.2, hole 1.2, Top Layer to Bottom Layer, tented both sides, 2 vias

## Nets (pads, with @x,y where several pads share a name; then routed paths per layer and width w, separated by ;. In a path a pad name is that pad's centre, name@x,y a point inside that pad or via, vN(x,y) a via of type N, cw(c..) or ccw(c..) an arc to the next point about the centre after c; other vN are vias at no path point)
+3V3: C41.2 C42.2 C43.2 C46.2 C47.2 C49.2 C50.2 C51.2 C52.2 C53.2 C54.2 C55.2 C56.2 C57.2 C58.2 C59.2 C60.2 C61.2 C62.2 C63.2 C68.2 C70.1 C71.2 C72.2 C73.2 C74.2 C75.2 C76.2 C77.2 C79.2 C80.2 C85.2 D9.1 D13.1 esp1.5 F2.1 F3.2 F4.2 FPC1.7 FPC2.4 FPC3.2 P2.1 P5.1 Q1.1 Q3.1 R2.1@103.149,485.308 R3.1 R11.2 R12.2@59.817,556.702 R13.1@126.904,575.366 R14.1 R15.1 R16.1 R17.1 R18.2 R20.1 R21.2 R23.2 R24.1 R25.2 R27.1 R29.2 R30.2 R31.1 R32.1 R34.1@73.137,580.396 R34.2@36.637,528.137 R36.2 R38.2 R39.2 R40.1 R48.1 RAM1.1 RAM1.3 RAM1.9 RAM1.14 RAM1.27 RAM1.43 RAM1.49 U1.15 U1.23 U1.36 U1.49 U1.62 U1.72 U1.82 U1.91 U1.103 U1.114 U1.127 U1.136 U1.149 U1.159 U1.172 U6.1 U6.10 U7.12 U7.19 U7.37 U8.4 U9.8 U11.8 U22.8 VR1.2 | length 806.3
  Top Layer w0.2: U11.8@34.417,554.223 U11.8@34.738,554.223 ; v1(56.515,530.855) 56.995,531.335 U1.15@60.033,531.335 ; v1(56.637,527.531) 56.733,527.435 57.416,527.435 57.491,527.36 60.008,527.36 U1.23@60.033,527.335 ; U1.36@60.033,520.835 61.774,520.835 62.095,521.156 63.326,521.156 v1@63.373,521.203 ; U7.37@62.013,496.569 U7.37@62.018,496.564 ; v1(63.294,521.282) v1@63.373,521.203 ; U1.172@64.258,540.56 U1.172@64.283,540.585 64.302,540.605 64.302,544.043 v1(64.321,544.062) ; v1(65.913,510.032) 65.817,510.128 64.895,510.128 64.283,510.74 U1.49@64.283,514.585 64.283,520.293 v1@63.373,521.203 ; v1@69.528,496.564 v1(69.533,496.559) ; v1(70.433,543.802) 70.433,542.935 70.783,542.586 U1.159@70.783,540.585 70.783,538.431 70.993,538.221 v1(72.263,538.221) ; v1(70.513,517.427) 70.513,517.291 70.783,517.021 U1.62@70.783,514.585 70.783,511.414 70.883,511.314 70.883,510.762 v1(70.933,510.712) ; v1(74.803,544.063) 75.438,544.063 75.783,543.718 U1.149@75.783,540.585 ; v1(75.104,510.636) 75.104,511.582 75.179,511.658 75.179,511.673 75.783,512.277 U1.72@75.783,514.585 ; v1(79.883,500.06) 79.887,500.065 82.508,500.065 U7.19@82.513,500.069 ; v1@79.949,496.579 82.503,496.579 U7.12@82.513,496.569 ; v1@80.783,510.672 U1.82@80.783,514.585 80.783,517.023 81.595,517.835 U1.91@86.033,517.835 88.759,517.835 88.925,517.669 v1(88.925,517.068) ; FPC2.4@82.21,564.561 FPC2.4@82.214,564.557 ; FPC2.4@82.214,564.405 82.214,562.728 82.315,562.627 82.315,561.849 ; 82.465,561.849 82.315,561.849 ; v1(82.804,544.063) 82.283,543.542 U1.136@82.283,540.585 82.283,537.599 84.047,535.835 U1.127@86.033,535.835 87.603,535.835 87.878,535.56 88.386,535.56 v1(88.392,535.554) ; v1(83.798,521.929) 83.798,523.569 84.064,523.835 U1.103@86.033,523.835 87.717,523.835 v1(89.154,525.272) ; D13.1@85.725,556.763 85.09,556.763 82.315,559.538 82.315,561.849 ; U1.114@86.033,529.335 88.773,529.336 v1(89.154,529.717)
  Top Layer w0.3: U7.37@62.018,496.564 v1@69.528,496.564 ; FPC1.7@67.711,575.85 67.711,577.484 69.596,579.369 72.11,579.369 v1(73.137,580.396) ; v5(96.52,575.305) 97.36,575.305 97.536,575.481 97.536,577.415 97.712,577.591 98.391,577.591 98.567,577.415 FPC3.2@98.567,575.85
  Top Layer w0.4: C68.2@38.329,529.284 38.279,529.235 37.313,529.235 36.779,528.701 36.779,522.692 39.916,519.555 46.245,519.555 ; 43.053,514.365 43.053,513.485 43.287,513.251 47.334,513.251 47.568,513.485 47.568,519.321 47.334,519.555 46.245,519.555 ; U9.8@46.245,518.628 46.245,519.555 ; C41.2@49.029,561.07 U6.1@50.948,561.07 ; U6.10@56.748,557.17 58.013,557.17 58.165,557.018 58.547,556.636 R12.2@59.647,556.636
  Top Layer w0.5: C79.2@32.132,554.223 U11.8@34.416,554.223 ; U22.8@41.402,528.998 v1(41.402,530.377) ; C41.2@48.891,560.965 48.924,560.965 C41.2@49.029,561.07 ; D9.1@50.734,552.479 D9.1@50.734,552.987 v1(50.734,554.416) ; F2.1@55.265,552.618 56.737,552.618 57.405,553.286 C42.2@57.405,553.461 ; C42.2@57.404,554.109 57.404,554.68 57.845,555.121 v1(59.846,555.121) 59.832,555.136 59.832,556.687 R12.2@59.817,556.702 ; 82.465,561.849 84.079,561.849 84.406,562.175 84.406,570.225
  Top Layer w0.7: v1(89.154,525.272) 95.118,525.272 P5.1@95.25,525.14 ; v1(123.066,573.384) 123.066,572.285 123.435,571.916 U8.4@123.435,567.915
  Top Layer w0.9: R12.2@60.198,556.702 R11.2@61.804,556.702 R11.2@62.312,556.702
  Top Layer w1: C85.2@35.179,495.554 37.516,495.554 43.681,501.719 ; C68.2@38.329,529.284 41.116,529.284 U22.8@41.402,528.998 ; R24.1@42.045,514.619 R27.1@44.13,514.619 ; VR1.2@44.831,497.332 v3@44.831,502.361 ; v4(48.91,563.733) 48.891,563.713 C41.2@48.891,560.965 47.128,560.965 46.609,560.446 46.609,558.541 v1(50.734,554.416) ; R36.2@55.141,507.721 57.179,507.721 57.191,507.71 F3.2@57.33,507.71 57.341,507.721 v1(57.569,507.721) ; v4(82.642,508.567) 89.095,508.567 90.161,507.501 95.826,507.501 v4(95.91,507.416) ; v4(83.82,573.65) 83.82,570.811 84.406,570.225 87.503,570.225 89.012,568.716 Q3.1@89.012,568.448 89.012,567.001 89.598,566.415 91.997,566.415 92.583,567.001 92.583,568.447 ; v8(90.678,539.369) v8(90.678,544.068)
  Bottom Layer w0.2: 57.288,520.822 61.468,520.822 61.781,521.136 ; R32.1@61.976,522.478 61.881,522.383 61.881,521.235 61.781,521.136 ; C74.2@66.707,523.886 66.707,522.886 66.548,522.727 64.897,522.727 63.305,521.136 61.881,521.136 61.781,521.136 ; C76.2@66.707,526.283 67.564,526.283 68.199,526.918 68.199,527.553 68.504,527.858 RAM1.14@69.469,527.858 ; C75.2@67.819,539.871 67.819,538.728 68.289,538.258 RAM1.27@69.469,538.258 69.488,538.24 72.245,538.24 v1(72.263,538.221) ; R18.2@79.939,491.637 79.985,491.637 R18.2@80.01,491.612 ; RAM1.49@80.769,521.458 82.673,521.458 83.144,521.929 v1(83.798,521.929) 83.82,521.906 83.879,521.965 C71.2@84.202,521.965 ; RAM1.43@80.769,526.258 82.194,526.258 82.831,525.621 C72.2@84.202,525.621
  Bottom Layer w0.5: v1(41.402,530.377) 43.409,532.384 55.629,532.384 56.681,531.332 C56.2@56.681,531.284 ; 54.616,554.416 54.683,554.349 54.737,554.349 ; C77.2@66.675,516.504 67.818,516.504 68.77,517.457 69.467,517.457 RAM1.1@69.469,517.458 69.471,517.457 70.483,517.457 v1(70.513,517.427) ; C74.2@66.707,523.886 66.735,523.858 RAM1.9@69.469,523.858 ; C73.2@67.026,519.058 RAM1.3@69.469,519.058 ; 73.835,581.744 73.873,581.782 ; v1(88.392,535.554) 89.155,535.554 89.662,535.554 ; v1@91.96,568.61 v1(91.999,568.572) ; 122.773,571.749 123.066,572.042
  Bottom Layer w0.8: v1(59.846,555.121) 61.881,555.121 63.251,553.751 R31.1@63.251,550.68 ; P5.1@95.25,525.14 95.255,525.145 96.94,525.145 97.409,524.676 97.409,517.77 95.809,516.17 95.809,507.517 v4(95.91,507.416)
  Bottom Layer w1: v1@32.181,554.416 v1(50.734,554.416) 52.832,554.416 ; v3(43.739,502.361) 43.764,502.336 v3(46.355,502.336) ; v3@46.355,502.361 57.633,502.361 ; v4(48.91,563.733) 37.48,563.733 34.544,566.669 34.544,579.204 37.084,581.744 73.835,581.744 73.287,581.196 R34.1@73.287,580.471 ; R39.2@52.832,550.093 52.832,554.416 ; 54.683,554.349 52.892,554.349 52.959,554.416 52.832,554.416 ; 54.737,554.349 55.21,553.876 v4(55.21,552.563) 55.21,551.088 62.236,544.062 v1(64.321,544.062) 64.641,544.062 C57.2@64.643,544.064 C57.2@64.643,544.064 R20.1@66.924,544.063 ; v1(56.515,530.855) C56.2@56.554,530.816 ; C56.2@56.554,531.284 C56.2@56.554,530.816 ; C58.2@56.634,527.83 56.634,530.736 C56.2@56.554,530.816 ; C54.2@56.637,522.16 v1(56.637,527.531) 56.641,527.535 C58.2@56.641,527.68 ; C54.2@56.681,521.991 56.706,521.966 56.706,521.403 57.288,520.822 ; 57.569,520.541 v1(57.569,507.721) 57.569,502.425 57.633,502.361 ; C63.2@66.319,510.125 69.396,510.125 69.907,510.636 70.809,510.636 70.885,510.712 C53.2@70.909,510.688 ; C74.2@66.707,523.886 C76.2@66.707,526.155 ; C77.2@66.805,516.635 C73.2@66.805,518.811 ; R20.1@66.929,544.068 70.167,544.068 v1(70.433,543.802) 70.558,543.802 C55.2@70.82,544.064 v1(74.803,544.063) ; v1(70.933,510.712) C53.2@70.909,510.688 ; 73.873,581.782 77.343,581.782 ; v1(74.803,544.063) 74.828,544.038 75.717,544.038 75.729,544.026 C60.2@82.333,544.026 ; v1(75.104,510.636) 70.961,510.636 C53.2@70.909,510.688 ; C50.2@75.129,510.661 v1(80.772,510.661) 82.091,510.661 82.677,510.075 82.677,508.567 82.677,499.877 82.677,497.194 ; C70.1@75.658,580.319 R30.2@77.343,580.319 77.343,581.782 ; v1(79.883,500.06) 79.883,499.892 C47.2@79.898,499.877 82.423,499.877 ; R18.2@80.01,491.612 80.035,491.637 82.677,491.637 ; R29.2@81.661,580.448 81.661,581.782 ; v1(82.804,544.063) 90.673,544.063 v8(90.678,544.068) ; v4(83.82,573.65) 85.475,575.305 v5(96.52,575.305) 107.95,575.305 111.506,571.749 115.482,571.749 ; C72.2@84.202,525.621 84.202,528.759 84.788,529.344 C52.2@89.13,529.344 ; R38.2@85.288,491.637 82.677,491.637 ; R25.2@86.233,580.319 R23.2@88.265,580.319 88.273,580.327 88.273,581.614 88.441,581.782 ; v1(88.392,535.554) 88.392,538.607 89.154,539.369 v8(90.678,539.369) ; 88.9,537.591 89.155,537.336 89.155,535.554 v1(89.154,529.717) v1(89.154,529.717) C52.2@89.155,529.336 ; C62.2@89.154,524.436 v1(89.154,525.272) C52.2@89.155,529.336 ; C52.2@89.155,529.336 C52.2@89.155,529.336 ; 89.662,535.554 89.662,537.078 C49.2@89.662,537.082 ; 91.721,575.405 91.44,575.686 91.44,581.196 90.854,581.782 88.441,581.782 ; v1(91.999,568.572) 94.358,568.572 95.377,569.59 R40.1@97.028,569.59 R48.1@99.06,569.59 R48.1@99.214,569.59 ; esp1.5@109.525,485.318 106.121,485.318 103.149,485.318 85.319,485.318 82.677,487.959 82.677,491.637 ; 122.773,571.749 115.482,571.749 ; 122.872,576.766 122.872,576.956 ; 123.066,572.042 v1(123.066,573.384) ; R21.2@128.936,575.366 R14.1@124.872,575.366 124.872,576.544 124.46,576.956 122.872,576.956 ; P2.1@130.429,563.621 130.429,567.939 131.826,569.336 131.826,579.242 129.286,581.782 124.714,581.782 122.872,579.941 122.872,576.956 ; 57.633,502.361 61.697,502.361 67.45,496.608 69.533,496.608 v1(79.898,496.608) 82.091,496.608 82.677,497.194 ; 77.343,581.782 81.661,581.782 ; 81.661,581.782 88.441,581.782 ; 82.677,491.637 82.677,497.194 ; 115.482,571.749 115.189,572.042 115.189,574.924 115.631,575.366 R17.1@117.252,575.366 R16.1@119.284,575.366 R15.1@121.316,575.366 121.316,576.606 121.666,576.956 122.872,576.956
  other v1: 54.991,507.868 32.131,554.418
  other v3: 45.11,502.361 36.855,528.244
+5PV: C88.2 C90.2 C93.2 D14.1 J2.2 L6.1 P1.7 P3.1 U14.3 | length 172
  Top Layer w1: D14.1@31.242,477.139 C90.2@48.641,477.139 ; C90.2@48.641,477.011 C90.2@48.641,477.139 ; C93.2@50.546,477.011 50.521,477.036 50.103,477.036 50,477.139 C90.2@48.641,477.139 ; v2(57.252,482.295) 57.11,482.153 53.767,482.153 L6.1@53.767,480.06 48.641,480.06 U14.3@48.641,479.788 C90.2@48.641,477.139 ; v3(67.894,482.295) 96.342,482.295 102.133,488.086 102.133,505.206 ; P3.1@110.287,505.282 102.21,505.282 102.133,505.206 ; J2.2@125.653,544.769 125.653,544.869 125.053,545.469 124.539,545.469 124.467,545.541 103.862,545.541 103.276,544.955 103.276,531.825 102.133,530.682 102.133,505.206
  Bottom Layer w1: v2(57.252,482.295) v3@70.891,482.295
  other v3: 69.211,482.27 70.433,482.371 72.06,482.422
+5V: B2.1 C14.2 C15.2 C16.2 C18.2 C20.2 C26.2 C30.2 C32.2 C78.1 C81.2 C83.2 D12.2 L1.1 L2.1 L3.2 R4.2 R22.2 R41.1 R46.1 R49.1 U3.6 U5.6 U10.8 VR1.3 | length 367.9
  Top Layer w0.5: U5.6@48.641,572.765 48.641,575.017 48.934,575.31 50.796,575.31 52.324,576.838 52.324,577.533
  Top Layer w0.6: U3.6@104.267,564.053 104.271,564.057 C20.2@106.984,564.057
  Top Layer w0.8: v4(51.537,579.501) 52.324,579.501 C30.2@54.483,579.501
  Top Layer w1: C26.2@38.354,503.132 38.354,504.393 37.734,505.013 ; VR1.3@47.131,497.332 47.131,497.713 48.743,497.713 ; 52.324,579.501 52.476,579.653 52.476,583.59 52.654,583.768 ; v1(69.058,580.409) 69.058,583.603 69.783,584.327 ; B2.1@97.155,496.184 97.155,492.43 94.107,489.382 60.046,489.382 56.718,492.709 56.718,494.182 53.188,497.713 C15.2@51.55,497.713 C16.2@49.899,497.713 48.743,497.713 ; v4(104.267,566.796) 104.267,568.579 105.664,569.976 L1.1@108.102,569.976 L1.1@108.712,569.976 ; C20.2@106.984,564.057 110.313,564.057 C18.2@110.998,563.372 110.998,567.69 L1.1@108.712,569.976 ; 37.734,505.013 R46.1@36.256,505.013 36.256,506.161 35.204,507.213 32.487,507.213 30.709,508.99 C14.2@30.226,508.99 25.07,508.99 24.608,508.528 L3.2@24.308,508.528 22.508,508.528 22.205,508.831 22.205,551.454 20.777,552.882 20.777,576.834 27.711,583.768 52.654,583.768 ; 37.734,505.013 42.853,505.013 42.872,505.032 47.874,505.032 48.459,504.446 48.459,497.996 48.743,497.713 ; 52.654,583.768 54.813,583.768 55.372,584.327 69.783,584.327 ; 69.783,584.327 111.125,584.327 112.776,582.676 112.776,572.262 110.49,569.976 L1.1@108.712,569.976
  Bottom Layer w0.5: C78.1@86.684,562.859 86.684,561.392 86.868,561.208 90.551,561.208 ; R41.1@90.551,558.769 90.551,561.208 ; v1@94.488,561.208 90.551,561.208 ; v1(94.615,561.208) 95.123,561.208 ; C81.2@95.093,562.859 95.093,561.238 95.123,561.208 ; R49.1@98.139,559.175 98.139,560.915 97.846,561.208 95.123,561.208
  Bottom Layer w1: v1@37.618,578.342 51.537,578.342 v4(51.537,579.501) ; D12.2@95.501,493.014 95.501,493.228 96.151,493.878 96.151,493.914 96.516,493.914 97.102,494.5 97.102,496.131 B2.1@97.155,496.184 B2.1@97.231,496.109 ; R49.1@98.313,558.668 100.452,558.668 104.267,562.483 v4(104.267,566.796)
  other v1: 37.563,578.287
  other v3: 51.597,578.282
+5VA: C91.2 C92.2 L6.2 | length 5.2
  Top Layer w0.5: C92.2@53.412,477.006 C91.2@55.317,477.006 55.482,477.006 55.707,477.231 L6.2@55.707,480.06